# Allegro board T736_DEMO_DBOARD_V0-5-draft.brd (continued)
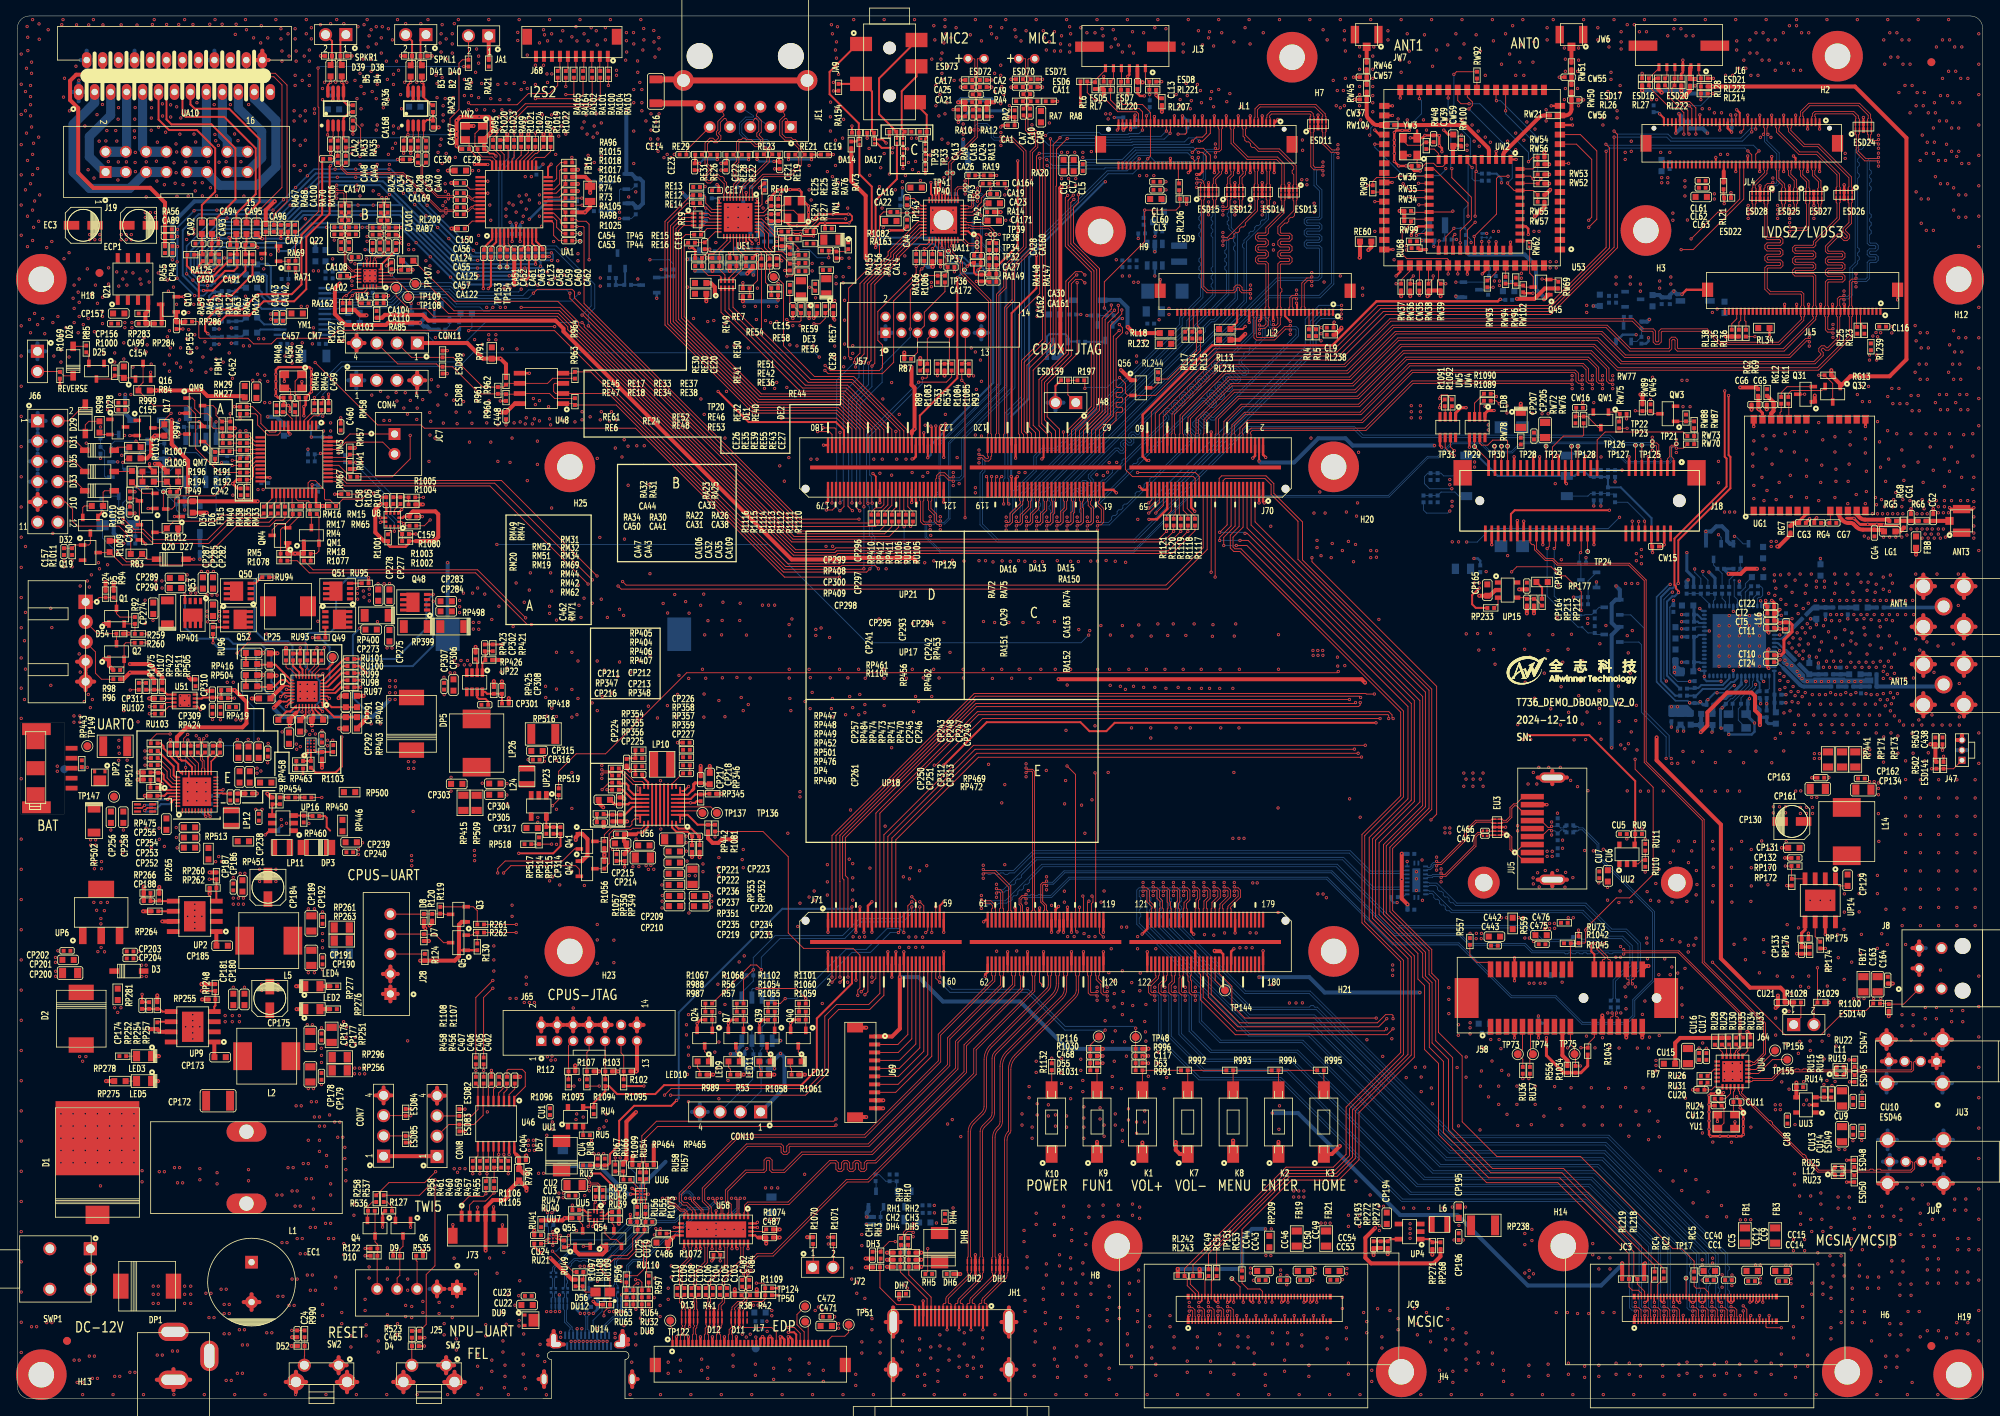
[diagram p0: board, top side]
## Copper pours and planes (outline as drawn; the poured copper is in the pictures) (continued)
VCCIO-WIFI on L3: 173.25,138.63 177.47,138.63 177.6,138.51 177.6,137.79 177.44,137.64 173.2,137.64 173.08,137.77 173.08,138.46
VCCIO-WIFI on L4: 191.08,156.44 192.07,156.44 192.35,156.16 192.35,151 188.95,147.6 188.95,140.82 188.98,140.79 188.98,140.21 188.85,140.08 187.32,140.08 187.15,140.26 187.15,148.92 190.91,152.68 190.91,156.26
(no net) on TOP: 235.95,109.51 235.95,109.38 235.82,109.26 233.03,109.26 232.9,109.38 230.74,109.38 229.98,110.14 229.09,110.14 228.97,110.27 228.97,110.4 229.09,110.53 230.11,110.53 230.87,109.76 233.66,109.76 233.79,109.64 235.82,109.64
(no net) on BOTTOM: 210.01,86.21 210.01,85.57 209.88,85.45 206.96,85.45 206.83,85.57 206.83,86.84 206.96,86.97 209.24,86.97
(no net) on BOTTOM: 232.51,90.5 232.51,89.56 223.65,89.56 220.78,92.43 220.67,92.43 220.55,92.56 220.55,93.32 220.67,93.45 221.28,93.45 224.23,90.5
(no net) on BOTTOM: 207.72,90.53 208.74,90.53 208.86,90.65 208.86,91.54 208.74,91.67 208.35,91.67 208.1,91.92 208.1,92.81 207.97,92.94 207.47,92.94 207.34,92.81 207.34,90.91
AMP-12V on TOP: 12.24,142.37 19.56,142.37 19.81,142.62 19.81,143.76 19.68,143.89 17.78,143.89 17.53,144.15 17.53,145.54 17.27,145.8 15.37,145.8 14.86,146.3 14.86,147.85 14.61,148.11 12.34,148.11 11.94,147.7 11.94,142.67
AMP-12V on L3: 27.56,165.94 27.56,169.8 25.65,171.7 5.33,171.7 2.16,168.53 2.16,159.97 3.3,158.83 3.3,148.08 9.02,142.37 19.43,142.37 19.81,142.75 19.81,143.76 19.68,143.89 17.78,143.89 17.53,144.15 17.53,145.54 17.27,145.8 15.37,145.8 14.86,146.3 14.86,151 14.66,151.21 9.4,151.21 8.38,152.22 8.38,158.32 5.46,161.24 5.46,165.81 7.87,168.22 11.81,168.22 12.06,167.97 12.06,165.94 12.32,165.68 13.08,165.68 13.34,165.94 13.34,167.97 13.72,168.35 25.4,168.35 25.91,167.84 25.91,165.94 26.16,165.68 27.3,165.68
BATT-12V on TOP: 17.02,6.35 22.23,6.35 22.48,6.6 22.48,15.11 21.72,15.88 17.02,15.88 16.76,15.62 16.76,6.6
BATT-12V on BOTTOM: 21.46,6.6 8.26,6.6 1.27,13.59 1.27,77.09 0.89,77.47 0.89,79.38 1.27,79.76 1.27,132.21 1.52,132.46 3.68,132.46 3.94,132.21 3.94,77.98 6.73,75.18 6.73,26.92 17.65,16 21.72,16 22.73,14.99 22.73,7.87
COD-MUTE on BOTTOM: 32.13,139.06 33.66,139.06 33.78,139.19 33.78,139.45 33.4,139.83 33.4,140.72 33.27,140.84 32.13,140.84 32,140.72 32,139.19
CODEC0-AVDD on TOP: 44.09,139.67 44.25,139.67 44.27,139.65 44.27,138.91 44.32,138.86 44.32,137.06 44.2,136.93 43.64,136.93 43.54,137.03 43.54,138.48 44.07,139.01 44.07,139.65
CODEC0-AVDD on TOP: 42.29,144.4 42.93,144.4 43.05,144.27 43.81,144.27 43.94,144.15 43.94,143.64 43.48,143.18 43.48,141.83 43.46,141.81 42.34,141.81 42.16,141.99 42.16,144.27
CODEC0-AVDD on BOTTOM: 43.42,138.32 42.24,139.5 42.24,141.05 41.66,141.63 41.63,141.63 39.75,143.51 38.25,143.51 38.18,143.59 38.18,144.48 38.3,144.6 42.37,144.6 43.31,143.66 43.31,141.91 43.14,141.74 43.14,139.97 44.02,139.09 44.86,139.09 45.16,138.79 45.16,138.51 44.97,138.32
CSP-VBAT on TOP: 23.19,98.93 16.6,98.93 16.47,98.81 16.47,96.48 16.98,95.97 23.06,95.97 23.33,96.24 23.33,98.79
DCIN-12V on TOP: 11.94,138.56 15.49,138.56 15.62,138.43 15.62,133.99 15.49,133.86 12.45,133.86 12.32,133.99 12.32,135 12.83,135.51 12.83,136.65 12.57,136.91 11.81,136.91 11.68,137.03 11.68,138.3
DCIN-12V on TOP: 208.4,152.39 208.28,152.27 205.74,152.27 205.49,152.53 205.49,155.31 205.61,155.43 208.23,155.43 208.4,155.25
DCIN-12V on TOP: 24.16,60.76 32.64,60.76 33.32,61.44 33.32,63.35 32.66,64.01 26.85,64.01 26.11,63.27 26.11,61.9 25.93,61.72 24.13,61.72 23.93,61.52 23.93,60.99
DCIN-12V on TOP: 79.4,77.14 79.62,77.14 79.64,77.11 79.64,71.67 80.19,71.12 80.19,66.52 79.81,66.14 78.73,66.14 78.52,66.34 78.52,70.79 79.39,71.65 79.39,77.13
DCIN-12V on TOP: 155.37,55.65 155.73,55.65 155.8,55.58 155.8,52.65 155.75,52.6 155.37,52.6 155.32,52.65 155.32,55.6
DCIN-12V on TOP: 6.35,41.91 9.75,41.91 10.01,42.16 10.01,45.19 9.75,45.44 6.35,45.44 6.1,45.19 6.1,42.16
DCIN-12V on TOP: 26.16,31.75 31.75,31.75 32,32 32,38.48 31.75,38.73 26.16,38.73 25.91,38.48 25.91,32
DCIN-12V on TOP: 185.75,60.99 188.67,60.99 188.87,60.78 188.87,60.05 188.62,59.79 185.9,59.79 185.6,60.1 185.6,60.83
DCIN-12V on TOP: 25.43,47.88 25.81,48.26 25.81,49.07 26.49,49.76 33.1,49.76 33.76,49.1 33.76,47.14 33.4,46.79 23.75,46.79 23.65,46.89 23.65,47.78 23.75,47.88
DCIN-12V on TOP: 225.62,64.22 224.99,64.22 224.74,64.47 224.74,66.12 224.61,66.25 222.96,66.25 222.83,66.38 222.83,74.76 222.96,74.88 225.12,74.88 225.4,74.6 225.4,69.49 225.75,69.14 225.75,64.34
DCIN-12V on TOP: 130.56,154.31 134.11,154.31 134.87,155.07 140.07,155.07 140.07,155.06 140.07,153.18 139.93,153.03 135.76,153.03 134.37,151.64 130.56,151.64 130.43,151.76 130.43,154.18
DCIN-12V on TOP: 180.85,88.38 172.97,96.25 172.97,124.59 173.23,124.84 176.91,124.84 177.29,124.46 177.29,99.01 187.25,89.05 187.25,80.04 183.72,76.5 181.05,76.5 180.85,76.71
DCIN-12V on TOP: 47.5,78.61 51.31,78.61 51.44,78.74 51.44,82.3 51.31,82.42 47.5,82.42 47.37,82.3 47.37,78.74
DCIN-12V on BOTTOM: 17.53,29.84 15.37,32 12.95,32 7.37,37.59 7.37,65.91 9.4,67.94 30.61,67.94 35.05,72.39 35.05,76.33 42.16,83.44 167.26,83.44 167.27,83.45 177.93,83.45 177.93,83.45 180.46,83.45 185.74,78.17 185.74,75.02 183.36,72.64 126.49,72.64 125.35,71.5 86.11,71.5 80.64,66.04 69.04,66.04 64.85,70.23 49.59,70.23 39.69,60.33 35.18,60.33 32,57.15 32,39.12 33.78,37.34 33.78,32.26 31.37,29.84
DCIN-12V on BOTTOM: 186.06,129.03 193.17,136.14 193.17,154.05 193.42,154.31 206.63,154.31 206.76,154.43 207.26,154.43 207.39,154.31 207.39,152.27 207.26,152.15 205.74,152.15 205.49,151.89 196.52,151.89 196.34,151.71 196.34,139.32 196.47,139.19 201.8,139.19 201.93,139.06 201.93,138.05 201.8,137.92 196.6,137.92 196.34,137.67 196.34,135.13 187.32,126.11 180.9,126.11 177.34,122.56 167.89,122.56 166.75,123.7 166.75,156.39 161.47,161.67 155.07,161.67 150.88,165.86 131.7,165.86 127.76,161.93 127.76,159.77 127.64,159.64 127.64,155.19 128.78,154.05 132.72,154.05 133.1,153.67 133.1,151.51 132.84,151.26 125.6,151.26 124.84,152.02 124.84,163.7 129.54,168.4 153.67,168.4 156.84,165.23 159.61,165.23 160.38,164.47 162.51,164.47 169.54,157.43 169.54,129.59 170.1,129.03
DCIN-12V on BOTTOM: 4.7,85.72 4.7,105.54 6.86,107.7 6.86,130.3 11.94,135.38 14.73,135.38 14.86,135.25 14.86,133.22 14.73,133.1 12.57,133.1 9.14,129.67 9.14,103.76 7.49,102.11 7.49,86.84 8.36,85.98 8.36,84.81 7.95,84.4 6.02,84.4
DCIN-12V on L4: 11.18,65.79 9.53,65.79 6.73,68.58 6.73,82.55 6.5,82.78 6.5,85.75 6.6,85.85 9.32,85.85 9.53,85.65 9.53,71.63 11.3,69.85 11.3,65.91
DCIN-12V on L4: 185.27,59.94 184.99,60.22 184.99,62.05 186.06,63.12 186.06,66.57 183.51,69.11 183.51,70.89 180.7,73.71 180.7,78.28 181.13,78.71 186.18,78.71 188.26,76.63 194.54,76.63 195.43,75.74 223.88,75.74 225.12,74.5 225.12,70.76 224.61,70.26 207.62,70.26 206.68,69.32 191.26,69.32 189.41,67.46 189.41,60.68 188.67,59.94
HDMI-CEC on TOP: 115.3,9.07 115.3,11.71 114.88,12.13 114.88,12.73 114.62,12.99 114.62,13 114.3,13.32 114.3,17.83 114.52,18.05 116.52,18.05 116.8,17.77 116.8,13.89 115.63,12.73 115.63,9.07 115.54,8.98 115.39,8.98
LTE-PWR on TOP: 187.96,115.44 187.96,119.76 188.09,119.89 189.1,119.89 189.74,120.52 190.25,120.52 190.75,121.03 192.28,121.03 193.8,122.56 195.33,122.56 195.45,122.43 195.45,122.05 194.56,121.16 193.55,121.16 192.28,119.89 190.75,119.89 189.48,118.62 189.48,115.32 190.75,114.05 205.1,114.05 207.39,111.76 207.39,107.57 207.26,107.44 206.88,107.44 206.76,107.57 206.76,109.73 204.34,112.14 186.82,112.14 184.28,109.6 184.28,104.39 185.93,102.74 185.93,101.98 185.8,101.85 185.04,101.85 184.53,101.35 182.5,101.35 182.25,101.6 182.25,109.73
LTE-PWR on TOP: 228.04,80.47 232.39,80.47 232.61,80.7 232.61,81.81 232,82.42 228.14,82.42 227.94,82.22 227.94,80.57
LTE-PWR on BOTTOM: 196.55,76.58 185.6,87.54 185.6,98.76 183.29,101.07 182.37,101.07 181.48,101.96 181.48,104.65 181.61,104.78 182.5,104.78 182.63,104.65 182.63,104.14 182.75,104.01 185.04,104.01 188.37,100.69 188.37,88.55 197.69,79.22 220.5,79.22 223.62,82.35 231.65,82.35 232.59,81.41 232.59,78.92 230.25,76.58
PANEL1-12V on BOTTOM: 211.58,138.3 214.38,138.3 214.5,138.18 214.5,137.29 214.25,137.03 211.58,137.03 211.33,137.29 211.33,138.05
PD_VBUS on TOP: 85.36,64.88 85.23,65.01 82.73,65.01 82.47,64.76 82.47,60.63 75.11,53.26 61.14,53.26 60.33,52.45 60.33,44.58 63.88,41.02 63.88,38.23 63.12,37.47 63.12,31.75 64.14,30.73 65.02,30.73 65.15,30.86 65.15,35.81 65.53,36.2 65.53,43.18 64.64,44.07 64.64,48.29 65.53,49.17 77.9,49.17 85.36,56.63
PD_VBUS on BOTTOM: 69.34,30.48 64.39,30.48 63.75,31.11 63.75,32.38 63.88,32.51 69.34,32.51 69.47,32.38 69.47,30.61
PD_VBUS on L4: 63.12,53.34 64.9,53.34 65.02,53.21 65.02,49.15 63.98,48.11 63.98,43.56 66.17,41.38 66.17,31.11 65.66,30.61 64.01,30.61 63.5,31.11 63.5,40.51 61.47,42.55 61.47,49.4 61.59,49.53 62.31,49.53 62.87,50.09 62.87,53.09
PHYRSTB on TOP: 88.24,149.3 87.07,149.3 86.51,149.86 86.51,150.9 86,151.41 85.29,151.41 85.24,151.46 85.24,152.17 85.29,152.22 87.02,152.22 87.3,151.94 87.3,149.71 87.4,149.61 88.24,149.61 88.27,149.58 88.27,149.33
PS-1 on TOP: 28.63,68.36 28.63,72.56 28.82,72.75 31.09,72.75 31.37,72.47 32.42,72.47 32.56,72.33 32.56,68.11 32.35,67.89 29.1,67.89
REGOUT on BOTTOM: 91.57,146.3 92.2,146.3 92.58,146.69 92.58,147.57 92.71,147.7 93.47,147.7 93.6,147.57 93.6,145.67 93.85,145.41 93.85,144.78 93.73,144.65 93.34,144.65 92.96,145.03 92.58,145.03 91.95,145.67 91.57,145.67 91.44,145.8 91.44,146.18
SW1 on TOP: 35.39,97.41 35.39,102.39 35.66,102.65 40.58,102.65 40.72,102.51 40.72,99.94 40.3,99.52 39.46,99.52 39.01,99.07 39.01,97.14 38.99,97.12 35.69,97.12
SW2 on TOP: 27.18,96.42 27.18,99.06 27.56,99.44 28.37,99.44 28.83,99.9 28.83,101.74 28.85,101.77 32.12,101.77 32.47,101.41 32.47,96.51 31.45,95.48 30.81,95.48 30.12,96.16 27.43,96.16
SY8113B-OUT on TOP: 55.32,75.11 59.41,75.11 59.51,75.21 59.51,80.16 59.33,80.34 55.75,80.34 55.14,79.73 55.14,75.29
TS on TOP: 6.12,78.49 8.59,78.49 8.97,78.87 8.97,79.31 8.78,79.5 6.02,79.5 5.87,79.35 5.87,78.74
TS on BOTTOM: 8,79.76 9.14,79.76 9.27,79.63 9.27,78.11 9.14,77.98 8.13,77.98 7.87,78.23 7.87,79.63
TS-1 on TOP: 1.02,77.98 5.13,77.98 5.31,78.16 5.31,79.27 5.08,79.5 4.7,79.5 4.19,80.01 1.02,80.01 0.76,79.76 0.76,78.23
TS-1 on BOTTOM: 4.7,77.85 7.37,77.85 7.62,78.11 7.62,79.5 7.37,79.76 4.7,79.76 4.45,79.5 4.45,78.11
USBVBUS on TOP: 69.9,6.93 68.96,7.87 68.96,7.9 67.89,8.97 64.08,8.97 64.03,9.02 64.03,14.99 61.93,17.09 61.93,23.34 66.75,28.17 66.75,29.26 66.98,29.49 71.12,29.49 71.12,28.88 69.49,27.25 69.49,25.15 68.55,24.21 66.09,24.21 64.08,22.2 64.08,18.97 69.58,13.47 70.37,13.47 73.33,10.52 73.33,7.26 73,6.93
USBVBUS on TOP: 36.64,82.23 37.25,82.23 37.5,82.49 38.44,82.49 38.82,82.87 40.18,82.87 40.36,82.69 40.36,82.03 39.9,81.57 37.12,81.57 37.05,81.65 37.05,81.86 36.94,81.97 36.64,81.97 36.61,81.99 36.61,82.21
USBVBUS on TOP: 55.51,95.29 57.99,95.29 58.12,95.42 58.12,97.66 57.99,97.79 55.51,97.79 55.38,97.66 55.38,95.42
USBVBUS on BOTTOM: 55.35,24.46 54.2,25.6 54.2,29.06 54.86,29.72 69.14,29.72 69.46,29.4 69.46,25.18 68.73,24.46
USBVBUS on BOTTOM: 37.5,80.14 39.65,80.14 39.78,80.26 39.78,82.78 39.65,82.91 37.5,82.91 37.38,82.78 37.38,80.26
USBVBUS on L4: 37.85,83.01 47.04,83.01 50.16,86.13 50.16,97.18 51.18,98.2 57.99,98.2 59.33,96.85 59.33,43.13 56.64,40.44 56.64,26.62 55.78,25.76 51.94,25.76 50.11,27.58 50.11,44.04 51.84,45.77 51.84,73.36 49.05,76.15 37.97,76.15 36.98,77.14 36.98,82.14
USBVBUS-H on TOP: 53.43,100.41 50.98,100.41 50.85,100.28 50.85,95.92 50.97,95.81 53.39,95.81 53.54,95.96 53.54,100.29
VD33 on TOP: 207.3,41.55 207.3,42.48 207.56,42.74 211.87,42.74 212.15,42.46 212.15,42.28 212.52,41.91 213.31,41.91 213.33,41.88 213.33,41.62 213.3,41.58 212.26,41.58 211.75,41.07 211.33,41.07 211.15,40.89 211.15,39.34 211.07,39.27 210.54,39.27 210.41,39.4 210.41,40.21 210.41,40.21 210.41,40.54 209.68,41.27 207.58,41.27
VLED0+ on TOP: 140.28,132.89 143.51,132.89 143.61,132.79 143.61,131.83 143.48,131.7 140.31,131.7 140.23,131.78 140.23,132.84
VLED0+ on BOTTOM: 142.49,137.54 141.86,136.91 141.86,132.54 141.71,132.38 139.6,132.38 139.45,132.54 139.45,140.06 139.6,140.21 142.34,140.21 142.49,140.06
VLED0+ on L4: 142.09,144.15 142.67,144.15 142.77,144.04 142.77,142.44 140.74,140.41 140.74,139.8 140.61,139.67 139.62,139.67 139.52,139.78 139.52,140.41 141.96,142.85 141.96,144.02
VLED0- on BOTTOM: 137.54,143.51 140.46,143.51 140.59,143.38 140.59,142.49 140.46,142.37 137.54,142.37 137.41,142.49 137.41,143.38
VSYS on TOP: 56.52,89.14 52.7,89.14 52.32,89.52 52.32,90.81 52.2,90.93 46.1,90.93 46.02,90.86 46.02,86.92 46.34,86.6 54.29,86.6 54.3,86.61 54.63,86.61 55.63,87.6 56.07,87.6 56.52,88.05
VSYS on TOP: 21.63,99.14 21.44,99.33 21.44,101.63 21.77,101.96 25.02,101.96 25.55,102.49 28.18,102.49 28.24,102.43 28.24,100 28.12,99.87 26.19,99.87 25.45,99.14
VSYS on BOTTOM: 21.63,99.14 21.44,99.33 21.44,101.63 21.77,101.96 25.02,101.96 25.4,101.57 25.4,99.44 25.1,99.14
VSYS on L4: 21.84,100.33 27.69,100.33 30.86,103.5 46.23,103.5 46.99,102.74 46.99,100.46 45.34,98.81 45.34,87.25 45.47,87.12 49.15,87.12 49.53,87.5 49.53,97.41 51.94,99.82 51.94,104.27 47.62,108.58 25.91,108.58 20.95,103.63 20.95,101.22
N17310318 on TOP: 69.42,31.62 69.42,34.57 69.29,34.7 67.97,34.7 67.64,34.37 67.64,33.81 67.01,33.17 67.01,31.52 67.03,31.5 69.29,31.5
N17704013 on TOP: 114.47,19.82 116.59,19.82 116.71,19.95 116.71,22.35 116.48,22.58 114.52,22.58 114.34,22.4 114.34,19.95
N19372000 on TOP: 33.48,45.16 33.07,44.75 33.07,41.2 33.78,40.49 39.88,40.49 40.06,40.67 40.06,45.03 39.93,45.16
N19372000 on BOTTOM: 38,40.49 37.85,40.64 37.85,44.96 38.05,45.16 39.93,45.16 40.06,45.03 40.06,40.67 39.88,40.49
N19372319 on TOP: 25.45,45.34 25.68,45.11 25.68,41.88 26.54,41.02 29.21,41.02 29.48,41.29 29.48,45.45 28.57,46.35 23.75,46.35 23.62,46.23 23.62,45.47 23.75,45.34
N19375956 on TOP: 231.03,72.88 231.03,79.56 230.86,79.74 226.17,79.74 226.08,79.65 226.08,72.93 226.19,72.82 230.98,72.82
N19376070 on TOP: 232.61,69.32 226.17,69.32 226.01,69.16 226.01,64.34 226.13,64.22 226.89,64.22 227.02,64.34 227.02,65.87 227.28,66.12 228.29,66.12 228.67,65.74 228.67,65.36 228.8,65.23 229.94,65.23 230.2,65.49 230.2,65.87 230.58,66.25 232.48,66.25 232.74,66.5 232.74,69.2
N19376526 on TOP: 187.45,101.98 187.45,102.87 187.96,103.38 190.63,103.38 190.75,103.25 190.75,101.98 190.63,101.85 187.58,101.85
N19391480 on BOTTOM: 130.3,133.99 131.57,133.99 132.08,134.49 132.08,136.53 132.84,137.29 132.84,138.05 132.72,138.18 130.43,138.18 130.18,137.92 130.18,134.11
N19391674 on TOP: 146.28,137.03 146.46,136.85 146.46,135.16 145.8,134.49 145.8,131.88 145.72,131.8 144.17,131.8 144.09,131.88 144.09,134.67 144.53,135.1 144.53,136.88 144.68,137.03
N19391676 on TOP: 149.93,136.65 149.96,136.61 149.96,135.55 150.98,134.53 150.98,132.39 150.92,132.33 148.94,132.33 148.66,132.61 148.66,136.63 148.69,136.65
N19395511 on BOTTOM: 199.14,137.67 200.41,137.67 200.91,137.16 202.44,137.16 202.56,137.03 202.56,135.25 202.44,135.13 201.93,135.13 201.8,135.25 201.8,135.76 201.55,136.02 199.14,136.02 199.01,136.14 199.01,137.54
N19395539 on BOTTOM: 202.82,138.18 204.09,138.18 204.85,137.41 207.26,137.41 207.77,137.92 209.04,137.92 209.17,137.79 209.17,136.65 208.41,135.89 203.2,135.89 202.82,136.27 202.82,137.29 202.56,137.54 202.56,137.92
N19395720 on TOP: 217.26,136.75 218.54,136.75 218.57,136.73 218.57,133.78 218.34,133.55 217.46,133.55 217.21,133.81 217.21,136.7
N19395722 on TOP: 214.76,135.51 215.05,135.8 215.05,136.77 214.91,136.91 212.22,136.91 212.09,136.78 212.09,135.64 212.22,135.51
N19395722 on BOTTOM: 214.38,135.38 214.5,135.51 214.5,136.65 214.38,136.78 212.09,136.78 211.84,136.53 211.84,135.64 212.09,135.38
N19406068 on TOP: 216.66,12.32 215.46,12.32 215.34,12.43 215.34,19.63 215.7,19.99 217.07,19.99 217.2,19.86 217.2,14.36 216.78,13.94 216.78,12.43
N19406083 on TOP: 220.6,12.45 219.02,12.45 218.95,12.52 218.95,19.53 219.37,19.95 220.88,19.95 221.04,19.79 221.04,12.89
N19419901 on BOTTOM: 94.23,147.57 95.25,147.57 95.76,147.07 96.27,147.07 96.52,146.81 96.52,146.05 96.77,145.8 98.42,145.8 99.95,147.32 99.95,151.64 99.19,152.4 93.47,152.4 93.34,152.53 93.34,153.8 93.6,154.05 100.58,154.05 102.11,152.53 102.11,146.43 100.2,144.53 96.77,144.53 96.39,144.91 95,144.91 94.74,144.65 94.23,144.65 94.11,144.78 94.11,147.45
N19421134 on TOP: 97.61,141.58 98.09,141.58 98.15,141.53 98.15,141 98.4,140.74 98.91,140.74 99.01,140.64 99.01,139.65 98.7,139.34 96.49,139.34 96.42,139.42 96.42,140.11 96.52,140.21 97.08,140.21 97.56,140.69 97.56,141.53
N19421138 on TOP: 99.57,145.16 100.08,145.16 100.33,145.41 100.33,145.8 100.46,145.92 101.47,145.92 101.6,145.8 101.6,144.65 101.47,144.53 101.22,144.53 101.09,144.4 101.09,143.66 101.04,143.61 100.36,143.61 99.44,144.53 99.44,145.03
N19421140 on TOP: 101.6,141.73 102.11,141.73 102.23,141.6 102.23,139.83 101.85,139.45 99.69,139.45 99.57,139.57 99.57,140.46 99.95,140.84 101.35,140.84 101.47,140.97 101.47,141.6
N19421144 on TOP: 97.54,138.68 97.54,137.79 97.79,137.54 97.79,136.78 97.92,136.65 99.31,136.65 99.44,136.78 99.44,137.29 98.93,137.79 98.93,138.68 98.81,138.81 97.66,138.81
N19421176 on TOP: 100.71,138.94 101.85,138.94 101.98,138.81 101.98,137.79 101.6,137.41 101.6,136.78 101.47,136.65 100.08,136.65 99.95,136.78 99.95,137.29 100.08,137.41 100.46,137.41 100.58,137.54 100.58,138.81
N19421205 on TOP: 101.75,146.94 101.75,146.56 102.44,145.87 102.44,144.63 102.49,144.58 104.34,144.58 104.39,144.63 104.39,146.94 104.34,146.99 101.8,146.99
N19458872 on TOP: 127.89,160.4 129.67,160.4 129.79,160.27 129.79,159.13 129.67,159 128.02,159 127.76,159.26 127.76,160.27
N19458872 on TOP: 124.08,162.94 125.32,162.94 125.37,162.89 125.37,161.24 125.32,161.19 124.1,161.19 124,161.29 124,162.86
N19458872 on L4: 124.08,162.43 128.52,162.43 129.67,161.29 129.67,158.88 129.41,158.62 127.64,158.62 127.51,158.75 127.51,161.04 127.38,161.16 124.08,161.16 123.95,161.29 123.95,162.31
N19458897 on TOP: 127.61,163.04 129.06,163.04 129.13,162.97 129.13,161.06 129.01,160.93 127.56,160.93 127.46,161.04 127.46,162.89
N19770024 on TOP: 13.08,121.54 14.1,121.54 14.86,122.3 15.49,122.3 15.62,122.43 15.62,125.22 15.49,125.35 13.34,125.35 13.21,125.22 13.21,123.32 12.95,123.06 12.95,121.67
N20102384 on BOTTOM: 110.63,21.4 113.55,21.4 113.68,21.53 113.68,24.66 113.55,24.79 110.63,24.79 110.5,24.66 110.5,21.53
N20203968 on TOP: 240.03,82.55 242.32,82.55 242.82,82.04 243.97,82.04 244.09,82.17 244.09,83.06 243.84,83.31 240.03,83.31 239.9,83.19 239.9,82.68
N20295462 on BOTTOM: 207.21,95.81 208.05,95.81 208.15,95.71 208.15,93.52 208.03,93.4 207.26,93.4 207.16,93.5 207.16,95.76
N21432724 on TOP: 33.73,59.79 39.9,59.79 40.39,59.31 40.39,55.24 40.18,55.04 34.01,55.04 33.35,55.7 33.35,59.41
N21432724 on BOTTOM: 38.04,58.61 39.81,58.61 40.32,58.1 40.32,55.05 40.2,54.93 38.16,54.93 37.91,55.18 37.91,58.48
N21619154 on TOP: 65.41,21.84 65.91,21.84 66.17,21.59 66.17,21.21 66.8,20.57 66.8,20.45 66.67,20.32 66.42,20.32 66.29,20.19 65.28,20.19 65.28,21.72
N22132064 on TOP: 33.74,68.08 33.74,71.18 34.06,71.5 36.23,71.5 36.53,71.21 36.53,68.15 36.37,68 33.83,68
N22132077 on TOP: 38.38,68.05 38.38,71.23 38.75,71.6 41.24,71.6 41.49,71.35 41.49,68.07 41.15,67.73 38.7,67.73
N22132203 on TOP: 24.54,77.18 25.53,77.18 26.29,77.94 30.68,77.94 30.99,77.64 30.99,76.62 30.75,76.38 25.82,76.38 25.63,76.57 24.56,76.57 24.49,76.64 24.49,77.13
N22132224 on TOP: 16.38,72.68 16.38,74.55 16.64,74.8 20.38,74.8 20.43,74.75 20.43,74.14 20.56,74.02 21.56,74.02 21.59,73.99 21.59,73.37 21.49,73.27 21.49,72.59 21.23,72.34 16.73,72.34
N22132271 on TOP: 24.17,73.39 24.17,74 24.18,74.02 24.45,74.02 24.54,74.1 24.54,75.56 24.56,75.59 25.79,75.59 26.12,75.26 27.91,75.26 28.17,75.01 28.17,73.66 27.86,73.36 24.21,73.36
N22344821 on TOP: 187.71,122.17 189.1,122.17 189.36,121.92 189.36,120.4 189.1,120.14 187.71,120.14 187.45,120.4 187.45,121.92
N22987247 on TOP: 81.62,77.14 81.41,77.14 81.38,77.11 81.38,71.68 80.45,70.75 80.45,64.11 80.78,63.78 82.04,63.78 82.23,63.97 82.23,70.9 81.65,71.49 81.65,77.11
N22987902 on TOP: 80.15,71.72 80.15,77.37 80.23,77.44 80.23,77.67 80.28,77.72 80.28,81.46 80.14,81.6 78.05,81.6 77.99,81.53 77.99,78.99 78.11,78.88 78.47,78.88 79.11,78.24 79.11,77.66 79.43,77.34 79.65,77.34 79.88,77.11 79.88,71.72 79.92,71.68 80.11,71.68
N22987911 on TOP: 80.89,71.72 80.89,77.55 81.27,77.93 81.27,81.62 81.38,81.74 83.54,81.74 83.67,81.61 83.67,80.75 83.65,80.73 83.65,79.12 83.55,79.02 82.88,79.02 82.41,78.55 82.41,77.76 81.94,77.29 81.31,77.29 81.15,77.14 81.15,71.73 81.13,71.7 80.9,71.7
N22988536 on TOP: 84,82.52 84.99,82.52 85.04,82.47 85.04,79.98 84.99,79.93 84,79.93 83.95,79.98 83.95,82.47
N23044934 on BOTTOM: 143.13,142.62 144.15,142.62 144.53,143 147.07,143 147.19,142.88 147.19,137.67 146.94,137.41 145.41,137.41 145.03,137.79 145.03,140.34 144.4,140.97 143.38,140.97 143,141.35 143,142.49
N23044984 on BOTTOM: 139.95,142.11 140.84,142.11 140.97,142.24 140.97,142.49 141.1,142.62 141.86,142.62 141.99,142.49 141.99,140.97 141.86,140.84 139.95,140.84 139.83,140.97 139.83,141.99
N23045015 on BOTTOM: 143.13,144.15 144.27,144.15 144.4,144.02 146.56,144.02 146.69,144.15 146.69,145.03 145.8,145.92 145.8,148.84 145.41,149.22 143.38,149.22 143,148.84 143,144.27
N23263833 on TOP: 230.63,52.32 233.68,52.32 233.93,52.58 238.76,52.58 239.01,52.83 239.01,54.48 238.76,54.74 231.78,54.74 230.5,53.47 230.5,52.45
N23292340 on BOTTOM: 37.72,133.6 39.62,133.6 39.88,133.35 39.88,129.67 39.75,129.54 38.35,129.54 38.1,129.79 38.1,131.57 38.35,131.83 38.35,132.72 38.23,132.84 37.72,132.84 37.59,132.97 37.59,133.48
N23292995 on BOTTOM: 31.62,133.6 33.66,133.6 33.78,133.48 33.78,133.22 33.4,132.84 33.4,130.94 33.27,130.81 31.62,130.81 31.5,130.94 31.5,133.48
N23532782 on TOP: 21.46,17.78 23.37,15.88 30.73,15.88 31.62,16.76 31.62,25.15 30.73,26.04 8.38,26.04 7.49,25.15 7.49,18.54 8.26,17.78
N23786694 on TOP: 14.35,17.02 14.99,16.38 14.99,12.45 14.48,11.94 8,11.94 7.49,12.45 7.49,16.64 7.87,17.02
N23815938 on TOP: 159.47,12.46 159.47,19.53 159.59,19.65 160.92,19.65 161.1,19.47 161.1,13.75 160.87,13.53 160.87,12.45 160.79,12.37 159.56,12.37
N23815944 on TOP: 163.07,12.45 163.07,19.56 163.19,19.68 164.47,19.68 164.85,19.3 164.85,12.42 164.78,12.36 163.16,12.36
N23844140 on TOP: 21.95,87.41 23.39,87.41 23.56,87.25 26.66,87.25 26.84,87.07 26.84,86.47 26.72,86.36 23.65,86.36 22.92,87.08 21.97,87.08 21.89,87.16 21.89,87.36
N23844294 on TOP: 57.15,89.14 56.77,89.14 56.73,89.1 56.73,87.95 55.77,86.98 55.77,84.02 55.83,83.96 59.23,83.96 59.3,84.02 59.3,86.36 59.22,86.44 58.78,86.44 58.45,86.77 58.45,87.21 58.2,87.45 57.53,87.45 57.19,87.8 57.19,89.1
N23844808 on TOP: 44.06,99.05 39.71,99.05 39.56,98.89 39.56,96.13 39.75,95.94 44.03,95.94 44.17,96.08 44.17,98.93
N23860180 on TOP: 113.94,150.98 114.33,150.6 114.33,149.89 114.27,149.83 113.28,149.83 112.85,150.27 112.85,152.91 112.93,152.98 113.89,152.98 113.94,152.93
N23860180 on BOTTOM: 112.95,152.93 113.46,152.93 113.82,152.58 113.82,151.79 114.27,151.33 116,151.33 116.03,151.31 116.03,150.77 116,150.75 113.97,150.75 112.93,151.79 112.93,152.91
N23860239 on TOP: 118.24,148.08 119.89,148.08 120.78,148.97 121.79,148.97 121.92,148.84 121.92,148.46 121.67,148.21 121.03,148.21 120.52,147.7 118.24,147.7 118.11,147.83 118.11,147.96
N23860239 on TOP: 122.56,151.26 124.59,151.26 124.71,151.13 124.71,147.32 124.59,147.19 122.68,147.19 122.56,147.32 122.56,148.08 122.68,148.21 123.57,148.21 123.83,148.46 123.83,149.22 123.7,149.35 122.81,149.35 122.68,149.48 122.68,150.37 122.43,150.62 122.43,151.13
N23860239 on BOTTOM: 122.43,151.38 124.59,151.38 124.71,151.26 124.71,150.62 124.59,150.5 122.43,150.5 122.3,150.62 122.3,151.26
N23860239 on L3: 120.4,148.59 122.17,148.59 122.3,148.46 125.22,148.46 125.35,148.34 125.35,147.07 125.22,146.94 120.4,146.94 120.27,147.07 120.27,148.46
N24105542 on TOP: 6.35,49.91 6.35,58.67 6.86,59.18 8.76,59.18 9.17,58.78 9.17,55.12 9.65,54.64 9.65,50.04 9.4,49.78 6.48,49.78
N24105600 on TOP: 12.14,59.23 13.64,59.23 13.97,58.9 13.97,51.66 13.31,51 11.84,51 11.43,51.41 11.43,54.61 11.79,54.97 11.79,58.88
N24228221 on BOTTOM: 207.24,98.88 207.82,98.88 208.05,99.11 208.05,99.77 208.15,99.87 208.91,99.87 209.02,99.77 209.02,98.91 208.66,98.55 208.43,98.55 208.23,98.35 208.23,96.29 208.18,96.24 207.39,96.24 207.21,96.42 207.21,98.86
N24909877 on TOP: 63.12,84.81 64.67,84.81 64.9,84.58 64.9,78.66 64.82,78.59 62.87,78.59 62.76,78.69 62.76,84.45
N24909891 on TOP: 64.85,77.42 64.85,75.29 64.67,75.11 63.14,75.11 62.81,75.44 62.81,77.42
N24966046 on BOTTOM: 175.26,61.04 174.68,61.04 174.61,61.1 174.61,62.85 174.89,63.13 175.15,63.13 175.15,62.52 175.35,62.32 175.35,61.13
N24966049 on BOTTOM: 174.75,68.53 175.39,68.53 175.41,68.5 175.41,67.72 175.13,67.44 175.13,66.83 174.88,66.83 174.68,67.03 174.68,68.45
N25403259 on TOP: 24.21,59.26 25.58,59.26 25.96,58.88 25.96,56.49 27.23,55.22 29.21,55.22 29.64,55.65 29.64,59.51 29.01,60.15 24.08,60.15 23.9,59.97 23.9,59.56
N25403341 on TOP: 182.64,20.43 178.99,20.43 178.75,20.68 178.75,22.8 179.02,23.06 182.6,23.06 182.74,22.92 182.74,20.54
N25403351 on TOP: 177.56,20.83 176.76,20.83 176.53,21.06 176.53,21.29 176.28,21.54 175.25,21.54 175.16,21.63 175.16,22.48 175.6,22.92 177.48,22.92 177.62,22.78 177.62,20.89
N26123523 on TOP: 16.13,166.62 17.27,166.62 17.53,166.88 17.53,171.45 17.27,171.7 5.13,171.7 2.29,168.86 2.29,160.02 3.43,158.88 3.43,147.7 5.16,145.97 7.57,145.97 7.87,146.28 7.87,148.97 5.97,150.88 5.97,166.83 7.59,168.45 15.62,168.45 15.88,168.2 15.88,166.88
GND on TOP, BOTTOM, L3, L4: 245.67,5.2 245.57,5.3 245.57,59.56 245.67,59.69 245.76,59.84 245.87,59.89 245.95,59.79 245.95,5.14 245.88,5.05 245.77,5.08
GND on TOP, BOTTOM, L3, L4: 0.63,142.61 0.53,142.5 0.44,142.39 0.32,142.36 0.26,142.45 0.26,171.78 0.63,172.68 1.52,173.05 13.19,173.05 13.19,172.67 1.52,172.67 0.9,172.41 0.63,171.78
GND on TOP, BOTTOM, L3, L4: 245.95,74.83 245.87,74.73 245.76,74.78 245.67,74.93 245.57,75.06 245.57,83.69 245.95,83.69
GND on TOP, BOTTOM, L3, L4: 245.57,121.67 245.57,138 245.67,138.11 245.77,138.23 245.88,138.26 245.95,138.16 245.95,121.67
GND on TOP, BOTTOM, L3, L4: 78.15,0.5 78.19,0.6 78.19,0.63 171.5,0.63 171.66,0.54 171.81,0.45 171.86,0.33 171.77,0.26 78.19,0.26 78.1,0.31 78.11,0.41
GND on TOP, L3, L4: 245.67,142.5 245.57,142.61 245.57,171.78 245.31,172.41 244.68,172.67 13.34,172.67 13.34,173.05 244.68,173.05 245.57,172.68 245.95,171.78 245.95,142.45 245.88,142.36 245.77,142.39

Small or netless copper shapes (teardrops, artwork), in the pictures only: 3 on TOP, 1 on BOTTOM

## Text on the board
Ref Des/Silkscreen Top: REVERSE | D13 | D12 | D11 | DH2 | DH1 | T736_DEMO_DBOARD_V2_0 | 2024-12-10 | SN: | BAT | DC-12V | UART0 | A | E | D | RESET | CPUS-UART | B | TWI5 | NPU-UART | FEL | I2S2 | CPUS-JTAG | EDP | C | MIC2 | + | POWER | MIC1 | CPUX-JTAG | FUN1 | VOL+ | VOL- | MENU | ENTER | HOME | ANT1 | MCSIC | ANT0 | LVDS2/LVDS3 | MCSIA/MCSIB
DISPLAY_BOTTOM: 2 | 59 | 60 | 62 | 61 | 119 | 120 | 122 | 121 | 179 | 180
User.10: FIGURE | SIZE | 8.0 | 23.6 | 27.6 | 31.5 | 35.0 | 35.4 | 36.2 | 39.37 | 39.4 | 43.3 | 51.2 | 53.1 | 59.1 | 63.0 | 66.9 | 70.9 | 86.6 | 98.43 | 126.0 | 47.2 | 78.74 | 128.0 | 47.24x23.62 | 62.99x23.62 | 66.9x35.4 | 106.3x27.56 | 106.3x35.4 | 120.0x50.0 | DRILL CHART: TOP to BOTTOM | ALL UNITS ARE IN MILS | PLATED | NON-PLATED | QTY | 6378 | 3 | 4 | 58 | 10 | 12 | 8 | 5 | 18 | 55 | 2 | 1 | 16
